# Altium PCB BMS.Pcb.PcbDoc (part 1 of 3) (continued)
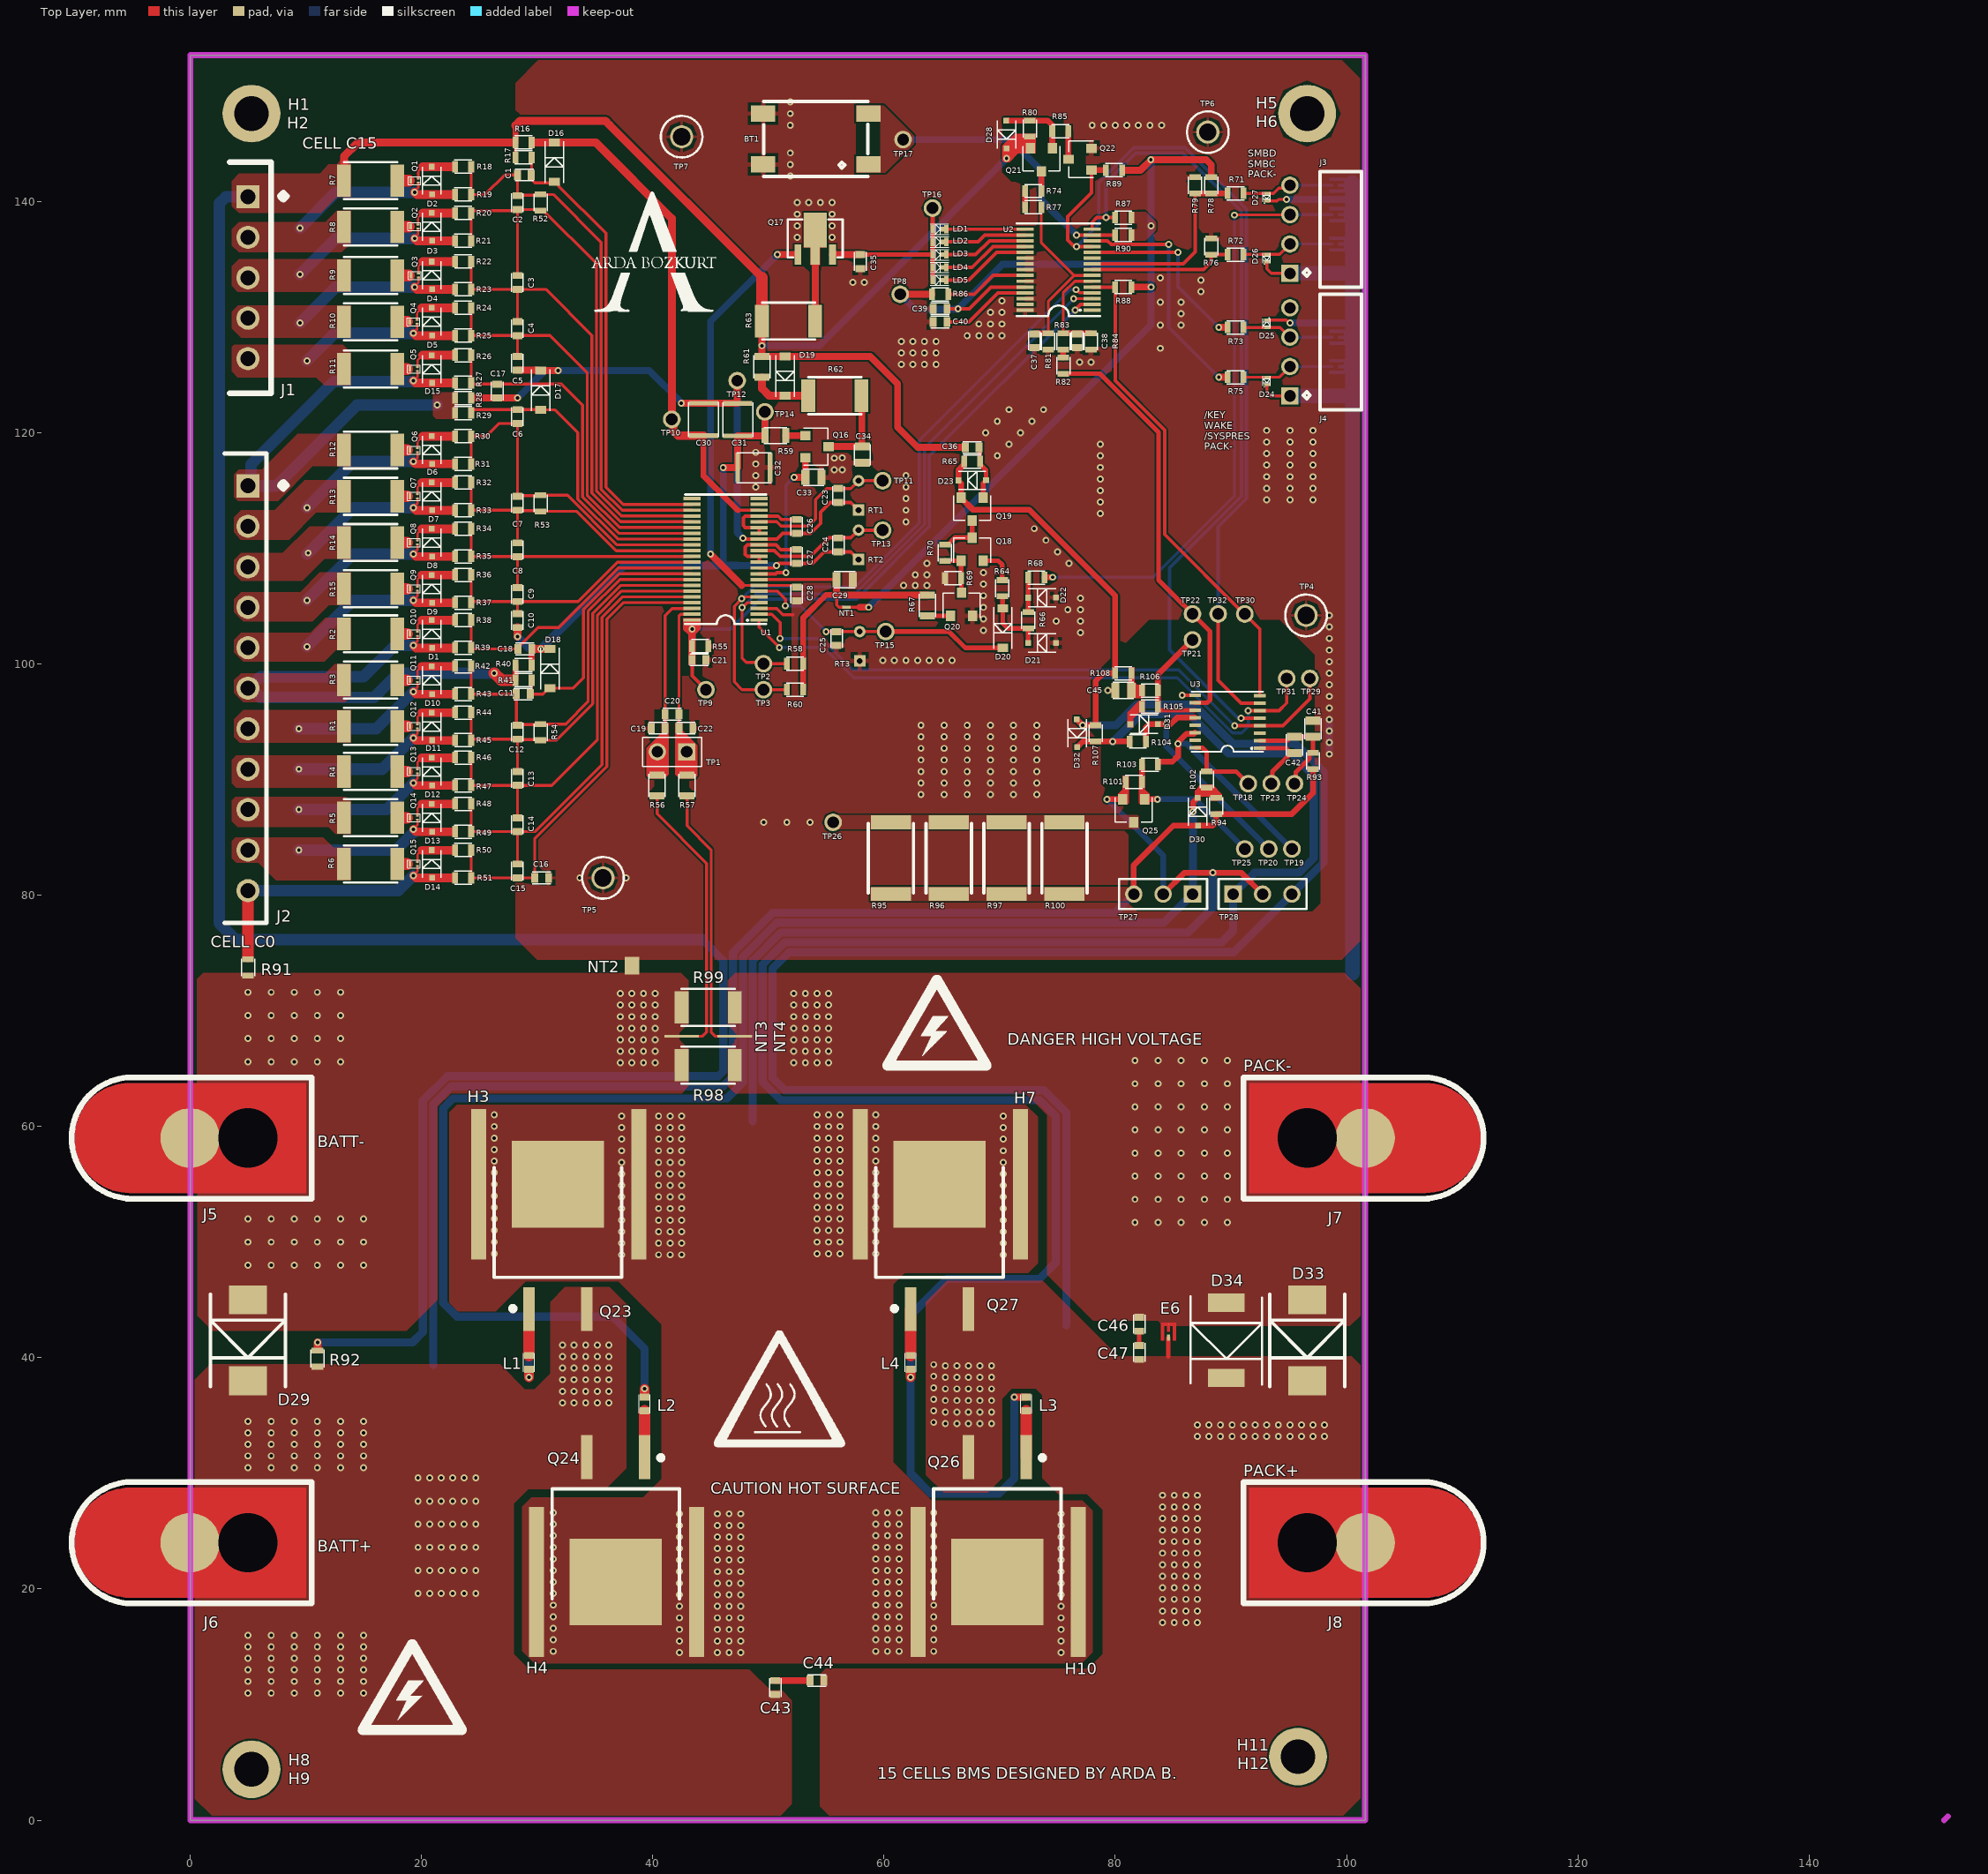
[diagram p0: Top Layer view]
## Part data (continued)
C26 C27 C28: library part C_1uF_0603_16V, "Capacitor, 1uF Multilayer Ceramic MLCC 16 V , X7R Dielectric 0603 Surface Mount", Case Code (Metric)=1608, Case Code (Imperial)=0603, Dielectric=X7R, Manufacturer="Wurth Electronics", Max Operating Temperature=125°C, Min Operating Temperature=-55°C, Supplier Part Number=710-885012206052, Tolerance=10%, Voltage Rating=16V, Insulation Resistance=100MR, Case/Package=0603, Category="Ceramic Capacitors", ComponentLink1Description=http://www.farnell.com/datasheets/1958472.pdf?src-supplier=Farnell, ComponentLink1URL=http://www.farnell.com/datasheets/1958472.pdf?src-supplier=Farnell, ComponentLink2Description=http://www.farnell.com/datasheets/1958472.pdf?src-supplier=Element14, ComponentLink2URL=http://www.farnell.com/datasheets/1958472.pdf?src-supplier=Element14, ComponentLink3Description=https://katalog.we-online.de/pbs/datasheet/885012206052.pdf?src-supplier=Digikey, ComponentLink3URL=https://katalog.we-online.de/pbs/datasheet/885012206052.pdf?src-supplier=Digikey, ComponentLink4Description=http://katalog.we-online.de/pbs/datasheet/885012206052.pdf?src-supplier=Digikey, ComponentLink4URL=http://katalog.we-online.de/pbs/datasheet/885012206052.pdf?src-supplier=Digikey, ComponentLink5Description=http://www.farnell.com/datasheets/1958472.pdf?src-supplier=Newark, ComponentLink5URL=http://www.farnell.com/datasheets/1958472.pdf?src-supplier=Newark, Height=800um, Length=0.063inch, Manufacturer Part Number=885012206052, Material=4241ConductorMaterial, Mounting Technology="Surface Mount", Packaging="Cut Tape", Pricing="1=0,16, 10=0,153, 50=0,153, 100=0,141, 1000=0,123, 10000=0,11 (USD)", Reach SVHC Compliant=Unknown, RoHS=Yes, RoHS Compliant=Yes, Series=WCAP-CSGP, Stock=13778, Supplier=Mouser, Thickness=0.037inch, Voltage Rating (DC)=16V, Width=0.031inch
C29: library part C_4.7uF_0805_10V, "Multilayer Ceramic Capacitor, Wcap-Csgp Series, 4.7 F, 10%, X7R, 10 V, 0805 [2012 Metric] Rohs Compliant: Yes", Manufacturer="Wurth Electronics", Supplier Part Number=710-885012207025, Insulation Resistance=20MR, Category="Ceramic Capacitors", ComponentLink1Description=http://www.farnell.com/datasheets/1958489.pdf?src-supplier=Farnell, ComponentLink1URL=http://www.farnell.com/datasheets/1958489.pdf?src-supplier=Farnell, ComponentLink2Description=http://www.farnell.com/datasheets/1958489.pdf?src-supplier=Element14, ComponentLink2URL=http://www.farnell.com/datasheets/1958489.pdf?src-supplier=Element14, ComponentLink3Description=https://katalog.we-online.de/pbs/datasheet/885012207025.pdf?src-supplier=Digikey, ComponentLink3URL=https://katalog.we-online.de/pbs/datasheet/885012207025.pdf?src-supplier=Digikey, Height=1.25mm, Manufacturer Part Number=885012207025, Pricing="1=0,83, 10=0,765, 50=0,765, 100=0,705, 1000=0,612, 10000=0,551 (USD)", RoHS=Yes, Stock=5855, Supplier=Mouser
C30 C31 C32: library part C_10uF_1210_35V, "Multilayer Ceramic Capacitor, 10 uF, 35 V, ± 10%, X7R, 1210 [3225 Metric]", Case Code (Metric)=3225, Case Code (Imperial)=1210, Dielectric=X7R, Manufacturer=Murata, Max Operating Temperature=125°C, Min Operating Temperature=-55°C, Package Quantity=1, Supplier Part Number=81-GRM32ER7YA106KA2L, Tolerance=10%, Voltage=35V, Case/Package=1210, Category="Ceramic Capacitors", ComponentLink1Description=https://datasheet.ciiva.com/22782/1747495-22782197.pdf?src-supplier=Farnell, ComponentLink1URL=https://datasheet.ciiva.com/22782/1747495-22782197.pdf?src-supplier=Farnell, ComponentLink2Description=https://datasheet.ciiva.com/11789/0900766b80ef921d-11789082.pdf?src-supplier=Rs, ComponentLink2URL=https://datasheet.ciiva.com/11789/0900766b80ef921d-11789082.pdf?src-supplier=Rs, ComponentLink3Description=https://datasheet.ciiva.com/3777/grm32er7ya106ka1223-3777248.pdf?src-supplier=Arrow+Electronics, ComponentLink3URL=https://datasheet.ciiva.com/3777/grm32er7ya106ka1223-3777248.pdf?src-supplier=Arrow+Electronics, ComponentLink4Description=https://datasheet.ciiva.com/29202/451166-da-01-de-vs-chip-kond-1210-10-0-uf-10pr-35-0v-x7r-29202478.pdf?src-supplier=Conrad, ComponentLink4URL=https://datasheet.ciiva.com/29202/451166-da-01-de-vs-chip-kond-1210-10-0-uf-10pr-35-0v-x7r-29202478.pdf?src-supplier=Conrad, ComponentLink5Description=https://datasheet.ciiva.com/29199/455226-da-01-en-vs-kondensator-1210-29199348.pdf?src-supplier=Conrad, ComponentLink5URL=https://datasheet.ciiva.com/29199/455226-da-01-en-vs-kondensator-1210-29199348.pdf?src-supplier=Conrad, ComponentLink6Description=https://datasheet.ciiva.com/14116/grmseries-highdielectrictype-eng-14116380.pdf?src-supplier=Distrelec, ComponentLink6URL=https://datasheet.ciiva.com/14116/grmseries-highdielectrictype-eng-14116380.pdf?src-supplier=Distrelec, ComponentLink7Description=https://datasheet.ciiva.com/7937/1747495-7937786.pdf?src-supplier=Element14, ComponentLink7URL=https://datasheet.ciiva.com/7937/1747495-7937786.pdf?src-supplier=Element14, ComponentLink8Description=https://datasheet.ciiva.com/143/partnumbering-e-01-143241.pdf?src-supplier=Digikey, ComponentLink8URL=https://datasheet.ciiva.com/143/partnumbering-e-01-143241.pdf?src-supplier=Digikey, ComponentLink9Description=https://datasheet.ciiva.com/143/partnumbering-e-01-143242.pdf?src-supplier=Digikey, ComponentLink9URL=https://datasheet.ciiva.com/143/partnumbering-e-01-143242.pdf?src-supplier=Digikey, ComponentLink10Description=https://datasheet.ciiva.com/11607/product-11607514.pdf?src-supplier=Avnet, ComponentLink10URL=https://datasheet.ciiva.com/11607/product-11607514.pdf?src-supplier=Avnet, Construction=Flat, Depth=2.5mm, Height=2.5mm, Lead Free=5697LeadFree, Length=3.2mm, Manufacturer Part Number=GRM32ER7YA106KA12L, Material=Ceramic, Mounting Technology="Surface Mount", Packaging="Tape and Reel", Pricing="1=0,93, 10=0,661, 50=0,591, 100=0,487, 1000=0,341, 10000=0,298 (USD)", Radiation Hardening=No, Reach SVHC Compliant=No, RoHS=Yes, RoHS Compliant=Yes, Series=GRM, Stock=33140, Supplier=Mouser, Termination=SMD/SMT, Thickness=0.106inch, Voltage Rating=35V, Voltage Rating (DC)=35V, Width=0.098inch
C33 C34: library part C_1uF_0805_50V, "CAP CER 1UF 50V X7R 0805", Operating Temperature="-55°C ~ 125°C", Package / Case="0805(2012 Metric)", Temperature Coefficient=X7R, Tolerance=+-10%, Voltage-Rate=25V
C37 C38: library part C_3300pF_0603_25V, "Multilayer Ceramic Capacitor, 0.1 uF, 100 V, ± 10%, X7R, 0603 [1608 Metric]", Case Code (Metric)=1608, Case Code (Imperial)=0603, Dielectric=X7R, Manufacturer=Murata, Manufacturer Part Number=GRM188R72A104KA35D, Max Operating Temperature=125°C, Min Operating Temperature=-55°C, Package Quantity=1, Supplier Part Number=81-GRM188R72A104KA35, Tolerance=10%, Voltage=100V, Case/Package=0603, Category="Ceramic Capacitors", ComponentLink1Description=https://datasheet.ciiva.com/18100/getdatasheetpartid-27818-18100710.pdf?src-supplier=Verical, ComponentLink1URL=https://datasheet.ciiva.com/18100/getdatasheetpartid-27818-18100710.pdf?src-supplier=Verical, Construction=Flat, Depth=0.8mm, Height=0.8mm, Lead Free=5697LeadFree, Length=1.6mm, Material=Ceramic, Mounting Technology="Surface Mount", Packaging="Tape and Reel", Pricing="1=0,2, 10=0,086, 50=0,086, 100=0,05, 1000=0,043, 10000=0,035 (USD)", Radiation Hardening=No, Reach SVHC Compliant=No, RoHS=Yes, RoHS Compliant=Yes, Series=GRM, Size=0.8mm, Stock=809956, Supplier=Mouser, Termination=SMD/SMT, Thickness=0.035inch, Voltage Rating=100V, Voltage Rating (DC)=100V, Weight=0.000222oz, Width=0.031inch
C41 C45: library part C_0.01uF_0805_100V, "Cap Cer 10000PF 100V X7R 0805", Manufacturer="Kyocera AVX", Supplier Part Number=581-KGM21NR72A103KT, Category="Ceramic Capacitors", Manufacturer Part Number=KGM21NR72A103KT, Pricing="1=0,11, 10=0,044, 50=0,044, 100=0,026, 1000=0,019, 10000=0,016 (USD)", RoHS=No, Stock=110390, Supplier=Mouser
C42: library part C_1.5uF_0805_25V, "0805 1.5 uF 25 V ±10% Tolerance X7R SMT Multilayer Ceramic Capacitor", Case Code (Metric)=2012, Case Code (Imperial)=0805, Dielectric=X7R, Manufacturer=Murata, Max Operating Temperature=125°C, Min Operating Temperature=-55°C, Package Quantity=1, Supplier Part Number=81-GRM21BR71E155KA8L, Tolerance=10%, Voltage=25V, Case/Package=0805, Category="Ceramic Capacitors", ComponentLink1Description=https://datasheet.ciiva.com/172/product-172215.pdf?src-supplier=Digikey, ComponentLink1URL=https://datasheet.ciiva.com/172/product-172215.pdf?src-supplier=Digikey, ComponentLink2Description=https://datasheet.ciiva.com/172/product-172214.pdf?src-supplier=Digikey, ComponentLink2URL=https://datasheet.ciiva.com/172/product-172214.pdf?src-supplier=Digikey, ComponentLink3Description=https://datasheet.ciiva.com/3778/131grm21br71e155ka8823-3778948.pdf?src-supplier=Arrow+Electronics, ComponentLink3URL=https://datasheet.ciiva.com/3778/131grm21br71e155ka8823-3778948.pdf?src-supplier=Arrow+Electronics, ComponentLink4Description=https://datasheet.ciiva.com/29534/partnumbering-e-01-29534267.pdf?src-supplier=Digikey, ComponentLink4URL=https://datasheet.ciiva.com/29534/partnumbering-e-01-29534267.pdf?src-supplier=Digikey, ComponentLink5Description=https://datasheet.ciiva.com/11615/product-11615739.pdf?src-supplier=Avnet, ComponentLink5URL=https://datasheet.ciiva.com/11615/product-11615739.pdf?src-supplier=Avnet, ComponentLink6Description=https://datasheet.ciiva.com/16219/l0005e-16219125.pdf?src-supplier=Future+Electronics, ComponentLink6URL=https://datasheet.ciiva.com/16219/l0005e-16219125.pdf?src-supplier=Future+Electronics, Construction=Flat, Depth=1.25mm, Height=1.25mm, Lead Free="Lead Free", Length=2mm, Manufacturer Part Number=GRM21BR71E155KA88L, Mounting Technology="Surface Mount", Packaging="Tape and Reel", Pricing="1=0,49, 10=0,245, 50=0,245, 100=0,157, 1000=0,129, 10000=0,085 (USD)", Radiation Hardening=No, RoHS=Yes, RoHS Compliant=Yes, Series=GRM, Stock=48189, Supplier=Mouser, Termination=SMD/SMT, Thickness=0.053inch, Voltage Rating=25V, Voltage Rating (DC)=25V, Width=0.049inch
C43 C44 C46 C47: library part C_0.1uF_0603_100V, "Multilayer Ceramic Capacitor, 0.1 uF, 100 V, ± 10%, X7R, 0603 [1608 Metric]", Case Code (Metric)=1608, Case Code (Imperial)=0603, Dielectric=X7R, Manufacturer=Murata, Max Operating Temperature=125°C, Min Operating Temperature=-55°C, Package Quantity=1, Supplier Part Number=81-GRM188R72A104KA35, Tolerance=10%, Voltage=100V, Case/Package=0603, Category="Ceramic Capacitors", ComponentLink1Description=https://datasheet.ciiva.com/18100/getdatasheetpartid-27818-18100710.pdf?src-supplier=Verical, ComponentLink1URL=https://datasheet.ciiva.com/18100/getdatasheetpartid-27818-18100710.pdf?src-supplier=Verical, ComponentLink2Description=https://datasheet.ciiva.com/22703/1747473-22703345.pdf?src-supplier=Element14, ComponentLink2URL=https://datasheet.ciiva.com/22703/1747473-22703345.pdf?src-supplier=Element14, ComponentLink3Description=https://datasheet.ciiva.com/34302/1857815-34302863.pdf?src-supplier=Jameco, ComponentLink3URL=https://datasheet.ciiva.com/34302/1857815-34302863.pdf?src-supplier=Jameco, ComponentLink4Description=https://datasheet.ciiva.com/11787/0900766b80ef921d-11787064.pdf?src-supplier=Rs, ComponentLink4URL=https://datasheet.ciiva.com/11787/0900766b80ef921d-11787064.pdf?src-supplier=Rs, ComponentLink5Description=https://datasheet.ciiva.com/29201/451984-da-01-en-vs-kondensator-0603-29201725.pdf?src-supplier=Conrad, ComponentLink5URL=https://datasheet.ciiva.com/29201/451984-da-01-en-vs-kondensator-0603-29201725.pdf?src-supplier=Conrad, ComponentLink6Description=https://datasheet.ciiva.com/7937/1747473-7937676.pdf?src-supplier=Element14, ComponentLink6URL=https://datasheet.ciiva.com/7937/1747473-7937676.pdf?src-supplier=Element14, ComponentLink7Description=https://datasheet.ciiva.com/135/partnumbering-e-01-135140.pdf?src-supplier=Digikey, ComponentLink7URL=https://datasheet.ciiva.com/135/partnumbering-e-01-135140.pdf?src-supplier=Digikey, ComponentLink8Description=https://datasheet.ciiva.com/135/partnumbering-e-01-135139.pdf?src-supplier=Digikey, ComponentLink8URL=https://datasheet.ciiva.com/135/partnumbering-e-01-135139.pdf?src-supplier=Digikey, ComponentLink9Description=https://datasheet.ciiva.com/135/partnumbering-e-01-135141.pdf?src-supplier=Digikey, ComponentLink9URL=https://datasheet.ciiva.com/135/partnumbering-e-01-135141.pdf?src-supplier=Digikey, ComponentLink10Description=https://datasheet.ciiva.com/16382/product-16382965.pdf?src-supplier=Future+Electronics, ComponentLink10URL=https://datasheet.ciiva.com/16382/product-16382965.pdf?src-supplier=Future+Electronics, Construction=Flat, Depth=0.8mm, Height=0.8mm, Lead Free=5697LeadFree, Length=1.6mm, Manufacturer Part Number=GRM188R72A104KA35D, Material=Ceramic, Mounting Technology="Surface Mount", Packaging="Tape and Reel", Pricing="1=0,2, 10=0,086, 50=0,086, 100=0,05, 1000=0,043, 10000=0,035 (USD)", Radiation Hardening=No, Reach SVHC Compliant=No, RoHS=Yes, RoHS Compliant=Yes, Series=GRM, Size=0.8mm, Stock=809956, Supplier=Mouser, Termination=SMD/SMT, Thickness=0.035inch, Voltage Rating=100V, Voltage Rating (DC)=100V, Weight=0.000222oz, Width=0.031inch
D1 D2 D3 D4 D5 D6 D7 D8 D9 D10 D11 D12 D13 D14 D15: library part D_ZENER_5.6V_SOD323, "Diode Zener Single 5.6V 5% 200mW Automotive 2-Pin SOD-323 T/R", Manufacturer=Diodes, Supplier Part Number=3127415, Category="Zener Diodes", ComponentLink1Description=https://datasheet.ciiva.com/10640/ds31038-10640331.pdf?src-supplier=Avnet, ComponentLink1URL=https://datasheet.ciiva.com/10640/ds31038-10640331.pdf?src-supplier=Avnet, ComponentLink2Description=https://datasheet.ciiva.com/892/ds31038-892237.pdf?src-supplier=Digikey, ComponentLink2URL=https://datasheet.ciiva.com/892/ds31038-892237.pdf?src-supplier=Digikey, ComponentLink3Description=https://datasheet.ciiva.com/892/ds31038-892238.pdf?src-supplier=Digikey, ComponentLink3URL=https://datasheet.ciiva.com/892/ds31038-892238.pdf?src-supplier=Digikey, ComponentLink4Description=https://datasheet.ciiva.com/892/ds31038-892239.pdf?src-supplier=Digikey, ComponentLink4URL=https://datasheet.ciiva.com/892/ds31038-892239.pdf?src-supplier=Digikey, ComponentLink5Description=https://datasheet.ciiva.com/16463/ds31038-16463261.pdf?src-supplier=Future+Electronics, ComponentLink5URL=https://datasheet.ciiva.com/16463/ds31038-16463261.pdf?src-supplier=Future+Electronics, Manufacturer Part Number=MMSZ5232BS-7-F, Pricing="5=0,206, 50=0,143, 100=0,0809, 500=0,052, 1500=0,051 (EUR)", RoHS=Yes, Stock=14029, Supplier=Farnell
D16 D17 D18 D19 D20: library part D_GENPURP_100V_SOD123, "Small Signal Diode, Single, 100 V, 300 mA, 1.25 V, 4 ns, 2 A RoHS Compliant: Yes", Average Rectified Current=300mA, Current Rating=150mA, Forward Voltage=1.25V, Manufacturer=Diodes, Max Forward Surge Current (Ifsm)=2A, Max Operating Temperature=150°C, Max Repetitive Reverse Voltage (Vrrm)=100V, Max Reverse Current=1uA, Min Operating Temperature=-65°C, Package Quantity=3000, Power Dissipation=400mW, Supplier Part Number=4129355, Voltage Rating (DC)=75V, Category=LDO, ComponentLink1Description=https://datasheet.ciiva.com/8303/ds30086-8303197.pdf?src-supplier=Avnet, ComponentLink1URL=https://datasheet.ciiva.com/8303/ds30086-8303197.pdf?src-supplier=Avnet, ComponentLink2Description=https://datasheet.ciiva.com/911/ds30086-911735.pdf?src-supplier=Digikey, ComponentLink2URL=https://datasheet.ciiva.com/911/ds30086-911735.pdf?src-supplier=Digikey, ComponentLink3Description=https://datasheet.ciiva.com/911/ds30086-911736.pdf?src-supplier=Digikey, ComponentLink3URL=https://datasheet.ciiva.com/911/ds30086-911736.pdf?src-supplier=Digikey, ComponentLink4Description=https://datasheet.ciiva.com/911/ds30086-911734.pdf?src-supplier=Digikey, ComponentLink4URL=https://datasheet.ciiva.com/911/ds30086-911734.pdf?src-supplier=Digikey, ComponentLink5Description=https://datasheet.ciiva.com/1179/1915529-1179304.pdf?src-supplier=Element14, ComponentLink5URL=https://datasheet.ciiva.com/1179/1915529-1179304.pdf?src-supplier=Element14, ComponentLink6Description=https://datasheet.ciiva.com/22695/1915529-22695239.pdf?src-supplier=Element14, ComponentLink6URL=https://datasheet.ciiva.com/22695/1915529-22695239.pdf?src-supplier=Element14, ComponentLink7Description=https://datasheet.ciiva.com/8300/ds30086-8300392.pdf?src-supplier=Avnet, ComponentLink7URL=https://datasheet.ciiva.com/8300/ds30086-8300392.pdf?src-supplier=Avnet, ComponentLink8Description=https://datasheet.ciiva.com/15219/getdatasheetpartid-110030-15219548.pdf?src-supplier=Verical, ComponentLink8URL=https://datasheet.ciiva.com/15219/getdatasheetpartid-110030-15219548.pdf?src-supplier=Verical, ComponentLink9Description=https://datasheet.ciiva.com/4435/ds30086-4435128.pdf?src-supplier=Mouser, ComponentLink9URL=https://datasheet.ciiva.com/4435/ds30086-4435128.pdf?src-supplier=Mouser, Forward Current=150mA, Height=1.25mm, Lead Free="Lead Free", Length=2.85mm, Manufacturer Part Number=1N4148W-7-F, Max Reverse Voltage (DC)=100V, Max Surge Current=2A, Mounting Technology="Surface Mount", Output Current=150mA, Packaging="Tape and Reel", Peak Non-Repetitive Surge Current=2A, Pins=2, Polarity=Standard, Power Rating=400mW, Pricing="3000=0,0105, 12000=0,0099, 45000=0,0093, 60000=0,0094, 75000=0,0092, 120000=0,0092, 150000=0,0086, 375000=0,0086 (USD)", Radiation Hardening=No, Reach SVHC Compliant=No, Recovery Time=4ns, Reverse Recovery Time=4ns, Reverse Recovery Time-Max=4ns, Reverse Voltage=100V, RoHS=Yes, RoHS Compliant=Yes, Series=-, Stock=22659000, Supplier="Future Electronics", Voltage=100V, Weight=0.000353oz, Width=1.7mm
D21 D22: library part D_ZENER_3.9V_SOD323, "MMSZ5228BS Series 3.9 V 10 mA 200 mW Surface Mount Zener Diode - SOD-323", Manufacturer=Diodes, Supplier Part Number=MMSZ5228BS-FDICT-ND, Category="Zener Diodes", ComponentLink1Description=https://datasheet.ciiva.com/8348/ds31038-8348094.pdf?src-supplier=Avnet, ComponentLink1URL=https://datasheet.ciiva.com/8348/ds31038-8348094.pdf?src-supplier=Avnet, ComponentLink2Description=https://datasheet.ciiva.com/16465/ds31038-16465529.pdf?src-supplier=Future+Electronics, ComponentLink2URL=https://datasheet.ciiva.com/16465/ds31038-16465529.pdf?src-supplier=Future+Electronics, ComponentLink3Description=https://datasheet.ciiva.com/891/ds31038-891515.pdf?src-supplier=Digikey, ComponentLink3URL=https://datasheet.ciiva.com/891/ds31038-891515.pdf?src-supplier=Digikey, ComponentLink4Description=https://datasheet.ciiva.com/891/ds31038-891516.pdf?src-supplier=Digikey, ComponentLink4URL=https://datasheet.ciiva.com/891/ds31038-891516.pdf?src-supplier=Digikey, ComponentLink5Description=https://datasheet.ciiva.com/891/ds31038-891517.pdf?src-supplier=Digikey, ComponentLink5URL=https://datasheet.ciiva.com/891/ds31038-891517.pdf?src-supplier=Digikey, Manufacturer Part Number=MMSZ5228BS-7-F, Pricing="1=0,28, 10=0,191, 100=0,0933, 500=0,07784, 1000=0,05409 (USD)", RoHS=Yes, Stock=78494, Supplier=Digikey
D23 D28 D31: library part D_ZENER_18V_SOD323, "Diode Zener Single 18V 5% 200mW Automotive 2-Pin SOD-323 T/R", Manufacturer=Diodes, Supplier Part Number=621-MMSZ5248BS-F, Category="Zener Diodes", ComponentLink1Description=https://datasheet.ciiva.com/8347/ds18010-8347928.pdf?src-supplier=Avnet, ComponentLink1URL=https://datasheet.ciiva.com/8347/ds18010-8347928.pdf?src-supplier=Avnet, ComponentLink2Description=https://datasheet.ciiva.com/892/ds31038-892342.pdf?src-supplier=Digikey, ComponentLink2URL=https://datasheet.ciiva.com/892/ds31038-892342.pdf?src-supplier=Digikey, ComponentLink3Description=https://datasheet.ciiva.com/892/ds31038-892343.pdf?src-supplier=Digikey, ComponentLink3URL=https://datasheet.ciiva.com/892/ds31038-892343.pdf?src-supplier=Digikey, ComponentLink4Description=https://datasheet.ciiva.com/892/ds31038-892344.pdf?src-supplier=Digikey, ComponentLink4URL=https://datasheet.ciiva.com/892/ds31038-892344.pdf?src-supplier=Digikey, ComponentLink5Description=https://datasheet.ciiva.com/8025/ds31038-8025788.pdf?src-supplier=Element14, ComponentLink5URL=https://datasheet.ciiva.com/8025/ds31038-8025788.pdf?src-supplier=Element14, Manufacturer Part Number=MMSZ5248BS-7-F, Pricing="1=0,33, 10=0,22, 50=0,22, 100=0,094, 1000=0,072, 10000=0,05 (USD)", RoHS=Yes, Stock=6211, Supplier=Mouser
D24 D25 D26 D27: library part ESD_TVS_DİODE_5.5VWM_14VC_2X1SON, "12-pF, ±5.5V, ±30-kV ESD protection diode in 0402 and SOD-523 package 2-X1SON -40 to 125", Breakdown Voltage=6V, Case Code (Metric)=1006, Case Code (Imperial)=0402, Clamping Voltage=14V, Leakage Current=100nA, Manufacturer="Texas Instruments", Max Operating Temperature=125°C, Max Power Dissipation=90W, Min Operating Temperature=-40°C, Package Quantity=250, Peak Pulse Current=5A, Power Line Protection=No, Reverse Standoff Voltage=5.5V, Supplier Part Number=595-TPD1E10B06DPYT, Case/Package=0402, Category="Integrated Circuits (ICs)", ComponentLink1Description=https://datasheet.ciiva.com/12545/tpd1e10b06-213725-12545103.pdf?src-supplier=Mouser, ComponentLink1URL=https://datasheet.ciiva.com/12545/tpd1e10b06-213725-12545103.pdf?src-supplier=Mouser, ComponentLink2Description=https://datasheet.ciiva.com/15186/getdatasheetpartid-726218-15186786.pdf?src-supplier=Verical, ComponentLink2URL=https://datasheet.ciiva.com/15186/getdatasheetpartid-726218-15186786.pdf?src-supplier=Verical, ComponentLink3Description=https://datasheet.ciiva.com/14195/tpd1e10b06-14195181.pdf?src-supplier=Avnet, ComponentLink3URL=https://datasheet.ciiva.com/14195/tpd1e10b06-14195181.pdf?src-supplier=Avnet, ComponentLink4Description=https://datasheet.ciiva.com/6574/tpd1e10b06-6574669.pdf?src-supplier=Digikey, ComponentLink4URL=https://datasheet.ciiva.com/6574/tpd1e10b06-6574669.pdf?src-supplier=Digikey, Diode Type=ZENER, Direction=Bidirectional, Lead Free="Lead Free", Length=1.1mm, Manufacturer Part Number=TPD1E10B06DPYT, Min Breakdown Voltage=6V, Number of Bidirectional Channels=1, Number of Channels=1, Packaging="Tape and Reel", Peak Pulse Power=90W, Pins=2, Pricing="1=0,86, 10=0,743, 50=0,743, 100=0,514, 1000=0,383, 10000=0,31 (USD)", Radiation Hardening=No, RoHS=Yes, RoHS Compliant=Yes, Series=-, Stock=43416, Supplier=Mouser, Thickness=370um, Width=1mm, Working Voltage=5.5V, Interface=GPIO
D29 D33: library part D_TVS_60V-SMC, "Diode TVS Single Uni-Dir 6V 1.5KW 2-Pin DO-214AB", Breakdown Voltage=66.7V, Case/Package=DO-214AB, Clamping Voltage=96.8V, Clamping Voltage-Max=10.3V, Leakage Current=800uA, Manufacturer=Littelfuse, Manufacturer Part Number=SMCJ6.0A, Max Breakdown Voltage=7.37V, Max Operating Temperature=150°C, Max Power Dissipation=6.5W, Max Surge Current=15.5A, Min Breakdown Voltage=6.67V, Min Operating Temperature=-55°C, Operating Supply Voltage=6V, Package Quantity=3000, Peak Pulse Current=145.7A, Peak Pulse Power=1.5kW, Power Line Protection=No, Supplier Part Number=4060218, Test Current=10mA, Category="TVS Diodes", ComponentLink1Description=https://datasheet.ciiva.com/18549/littelfuse-tvs-diode-smcj-datasheet-pdf-18549239.pdf?src-supplier=Digikey, ComponentLink1URL=https://datasheet.ciiva.com/18549/littelfuse-tvs-diode-smcj-datasheet-pdf-18549239.pdf?src-supplier=Digikey, ComponentLink2Description=https://datasheet.ciiva.com/22685/607636-22685525.pdf?src-supplier=Element14, ComponentLink2URL=https://datasheet.ciiva.com/22685/607636-22685525.pdf?src-supplier=Element14, ComponentLink3Description=https://datasheet.ciiva.com/16215/littelfuse-tvs-diode-smcj-16215483.pdf?src-supplier=Future+Electronics, ComponentLink3URL=https://datasheet.ciiva.com/16215/littelfuse-tvs-diode-smcj-16215483.pdf?src-supplier=Future+Electronics, ComponentLink4Description=https://datasheet.ciiva.com/332/littelfuse-tvs-diode-smcj-datasheet-pdf-332130.pdf?src-supplier=Digikey, ComponentLink4URL=https://datasheet.ciiva.com/332/littelfuse-tvs-diode-smcj-datasheet-pdf-332130.pdf?src-supplier=Digikey, ComponentLink5Description=https://datasheet.ciiva.com/332/littelfuse-tvs-diode-smcj-datasheet-pdf-332131.pdf?src-supplier=Digikey, ComponentLink5URL=https://datasheet.ciiva.com/332/littelfuse-tvs-diode-smcj-datasheet-pdf-332131.pdf?src-supplier=Digikey, ComponentLink6Description=https://datasheet.ciiva.com/332/littelfuse-tvs-diode-smcj-datasheet-pdf-332129.pdf?src-supplier=Digikey, ComponentLink6URL=https://datasheet.ciiva.com/332/littelfuse-tvs-diode-smcj-datasheet-pdf-332129.pdf?src-supplier=Digikey, ComponentLink7Description=https://datasheet.ciiva.com/332/littelfuse-tvs-diode-smcj-datasheet-pdf-332202.pdf?src-supplier=Digikey, ComponentLink7URL=https://datasheet.ciiva.com/332/littelfuse-tvs-diode-smcj-datasheet-pdf-332202.pdf?src-supplier=Digikey, ComponentLink8Description=https://datasheet.ciiva.com/332/littelfuse-tvs-diode-smcj-datasheet-pdf-332203.pdf?src-supplier=Digikey, ComponentLink8URL=https://datasheet.ciiva.com/332/littelfuse-tvs-diode-smcj-datasheet-pdf-332203.pdf?src-supplier=Digikey, ComponentLink9Description=https://datasheet.ciiva.com/332/littelfuse-tvs-diode-smcj-datasheet-pdf-332201.pdf?src-supplier=Digikey, ComponentLink9URL=https://datasheet.ciiva.com/332/littelfuse-tvs-diode-smcj-datasheet-pdf-332201.pdf?src-supplier=Digikey, Diode Type=ZENER, Direction=Unidirectional, Height=2.62mm, Lead Free="Lead Free", Length=8.13mm, Mounting Technology="Surface Mount", Number of Channels=1, Number of Elements=1, Number of Unidirectional Channels=1, Packaging="Tape and Reel", Pins=2, Polarity=Unidirectional, Power Dissipation=1.5kW, Pricing="1=0,5, 10=0,428, 100=0,298, 500=0,233, 1000=0,22, 5000=0,206 (EUR)", Reach SVHC Compliant=No, Reverse Breakdown Voltage=6.67V, Reverse Standoff Voltage=6V, RoHS=Yes, RoHS Compliant=Yes, Series=SMCJ, Stock=2678, Supplier=Farnell, Termination=SMD/SMT, Voltage Rating (DC)=6V, Weight=0.007408oz, Width=6.22mm
D30 D32: library part D_ZENER_16V_SOD323, "Zener Diode, 16V, 0.2W, Sod-323 Rohs Compliant: Yes", Manufacturer="Diodes Zetex", Supplier Part Number=621-MMSZ5246BS-7-F, Category="Zener Diodes", ComponentLink1Description=https://datasheet.ciiva.com/15142/getdatasheetpartid-61109-15142282.pdf?src-supplier=Verical, ComponentLink1URL=https://datasheet.ciiva.com/15142/getdatasheetpartid-61109-15142282.pdf?src-supplier=Verical, ComponentLink2Description=https://datasheet.ciiva.com/16463/ds31038-16463243.pdf?src-supplier=Future+Electronics, ComponentLink2URL=https://datasheet.ciiva.com/16463/ds31038-16463243.pdf?src-supplier=Future+Electronics, ComponentLink3Description=https://datasheet.ciiva.com/10640/ds31038-10640190.pdf?src-supplier=Avnet, ComponentLink3URL=https://datasheet.ciiva.com/10640/ds31038-10640190.pdf?src-supplier=Avnet, Manufacturer Part Number=MMSZ5246BS-7-F, Pricing="1=0,26, 10=0,172, 50=0,172, 100=0,076, 1000=0,054, 10000=0,036 (USD)", RoHS=Yes, Stock=7167, Supplier=Mouser
D34: library part D_GENPURP_200V_DO214AB, "Rectifier Diode Switching 200V 3A 20ns 2-Pin SMC T/R / DIODE GEN PURP 200V 3A DO214AB", Case/Package=101Case, Current=3A, Forward Voltage=900mV, Manufacturer="Vishay Semiconductors", Max Forward Surge Current (Ifsm)=100A, Max Operating Temperature=150°C, Max Repetitive Reverse Voltage (Vrrm)=200V, Max Reverse Current=10uA, Min Operating Temperature=-55°C, Supplier Part Number=625-ES3D-E3, Category="Rectifier Diodes", ComponentLink1Description=http://datasheet.octopart.com/ES3D-E3-57T-Vishay-datasheet-5333027.pdf?src-supplier=Mouser, ComponentLink1URL=http://datasheet.octopart.com/ES3D-E3-57T-Vishay-datasheet-5333027.pdf?src-supplier=Mouser, ComponentLink2Description=http://datasheet.octopart.com/ES3D-E3-57T-Vishay-datasheet-5333027.pdf?src-supplier=Future+Electronics, ComponentLink2URL=http://datasheet.octopart.com/ES3D-E3-57T-Vishay-datasheet-5333027.pdf?src-supplier=Future+Electronics, ComponentLink3Description=http://datasheet.octopart.com/ES3D-E3-57T-Vishay-datasheet-5333027.pdf?src-supplier=Verical, ComponentLink3URL=http://datasheet.octopart.com/ES3D-E3-57T-Vishay-datasheet-5333027.pdf?src-supplier=Verical, ComponentLink4Description=http://datasheet.octopart.com/ES3D-E3-57T-Vishay-datasheet-5333027.pdf?src-supplier=Digikey, ComponentLink4URL=http://datasheet.octopart.com/ES3D-E3-57T-Vishay-datasheet-5333027.pdf?src-supplier=Digikey, ComponentLink5Description=https://datasheet.octopart.com/ES3D-E3-57T-Vishay-datasheet-33014097.pdf?src-supplier=Farnell, ComponentLink5URL=https://datasheet.octopart.com/ES3D-E3-57T-Vishay-datasheet-33014097.pdf?src-supplier=Farnell, ComponentLink6Description=http://datasheet.octopart.com/ES3D-E3-57T-Vishay-datasheet-5333027.pdf?src-supplier=Avnet, ComponentLink6URL=http://datasheet.octopart.com/ES3D-E3-57T-Vishay-datasheet-5333027.pdf?src-supplier=Avnet, ComponentLink7Description=https://datasheet.octopart.com/ES3D-E3-57T-Vishay-datasheet-5333027.pdf?src-supplier=Newark, ComponentLink7URL=https://datasheet.octopart.com/ES3D-E3-57T-Vishay-datasheet-5333027.pdf?src-supplier=Newark, ComponentLink8Description=https://datasheet.octopart.com/ES3D-E3-57T-Vishay-datasheet-10220666.pdf?src-supplier=Element14, ComponentLink8URL=https://datasheet.octopart.com/ES3D-E3-57T-Vishay-datasheet-10220666.pdf?src-supplier=Element14, ComponentLink9Description=http://datasheet.octopart.com/ES3D-E3-57T-Vishay-datasheet-5333027.pdf?src-supplier=Arrow+Electronics, ComponentLink9URL=http://datasheet.octopart.com/ES3D-E3-57T-Vishay-datasheet-5333027.pdf?src-supplier=Arrow+Electronics, ComponentLink10Description=http://www.farnell.com/datasheets/2237719.pdf?src-supplier=Newark, ComponentLink10URL=http://www.farnell.com/datasheets/2237719.pdf?src-supplier=Newark, ComponentLink11Description=http://datasheet.octopart.com/ES3D-E3-57T-Vishay-datasheet-5333027.pdf?src-supplier=Rutronik, ComponentLink11URL=http://datasheet.octopart.com/ES3D-E3-57T-Vishay-datasheet-5333027.pdf?src-supplier=Rutronik, ComponentLink12Description=https://datasheet.octopart.com/ES3D-E3-57T-Vishay-datasheet-62343674.pdf?src-supplier=TME, ComponentLink12URL=https://datasheet.octopart.com/ES3D-E3-57T-Vishay-datasheet-62343674.pdf?src-supplier=TME, ComponentLink13Description=http://datasheet.octopart.com/ES3D-E3-57T-Vishay-datasheet-5333027.pdf?src-supplier=Quest, ComponentLink13URL=http://datasheet.octopart.com/ES3D-E3-57T-Vishay-datasheet-5333027.pdf?src-supplier=Quest, ComponentLink14Description=http://datasheet.octopart.com/ES3D-E3-57T-Vishay-datasheet-5333027.pdf?src-supplier=TTI, ComponentLink14URL=http://datasheet.octopart.com/ES3D-E3-57T-Vishay-datasheet-5333027.pdf?src-supplier=TTI, ComponentLink15Description=http://datasheet.octopart.com/ES3D-E3-57T-Vishay-datasheet-5333027.pdf?src-supplier=LCSC, ComponentLink15URL=http://datasheet.octopart.com/ES3D-E3-57T-Vishay-datasheet-5333027.pdf?src-supplier=LCSC, Current Rating=3A, Element Configuration=5460ElementConfiguration, Forward Current=3A, Height=2.413mm, Lead Free=5697LeadFree, Length=7.0866mm, Manufacturer Part Number=ES3D-E3/57T, Max Surge Current=100A, Output Current=3A, Peak Non-Repetitive Surge Current=100A, Pins=2NUMBER, Polarity=4901Direction, Pricing="1=0,59, 10=0,48, 50=0,48, 100=0,366, 1000=0,232, 10000=0,174 (USD)", Radiation Hardening=5898YesNo, Reach SVHC Compliant=4187SVHC, Recovery Time=30ns, Reverse Voltage=200V, RoHS=Yes, Stock=79027, Supplier=Mouser, Termination=4890ConnectorType, Voltage=200V, Voltage Rating (DC)=200V, Width=8.13mm
E1 E2 E3 E4 E5 E6: library part E_Spark_Gap, "Spark Gap"
H1 H5 H8 H11: library part "HEX STANDOFF", "Transistor: 2xN-MOSFET; unipolar; 20V; 1.1A; 0.235ohm; 420mW; -55+150 deg.C; SMD; SC70-6", Manufacturer=Vishay, Manufacturer Part Number=SI1902CDL-T1-GE3, Supplier Part Number=78-SI1902CDL-T1-GE3, Category=MOSFETs, ComponentLink1Description=https://datasheet.ciiva.com/24010/si1902cdl-256522-24010888.pdf?src-supplier=Mouser, ComponentLink1URL=https://datasheet.ciiva.com/24010/si1902cdl-256522-24010888.pdf?src-supplier=Mouser, ComponentLink2Description=https://datasheet.ciiva.com/29589/si1902cdl-29589781.pdf?src-supplier=Digikey, ComponentLink2URL=https://datasheet.ciiva.com/29589/si1902cdl-29589781.pdf?src-supplier=Digikey, Pricing="1=0,43, 10=0,325, 50=0,325, 100=0,177, 1000=0,119, 10000=0,101 (USD)", RoHS=Yes, Stock=101273, Supplier=Mouser